# KiCad board Stream.kicad_pcb (continued)
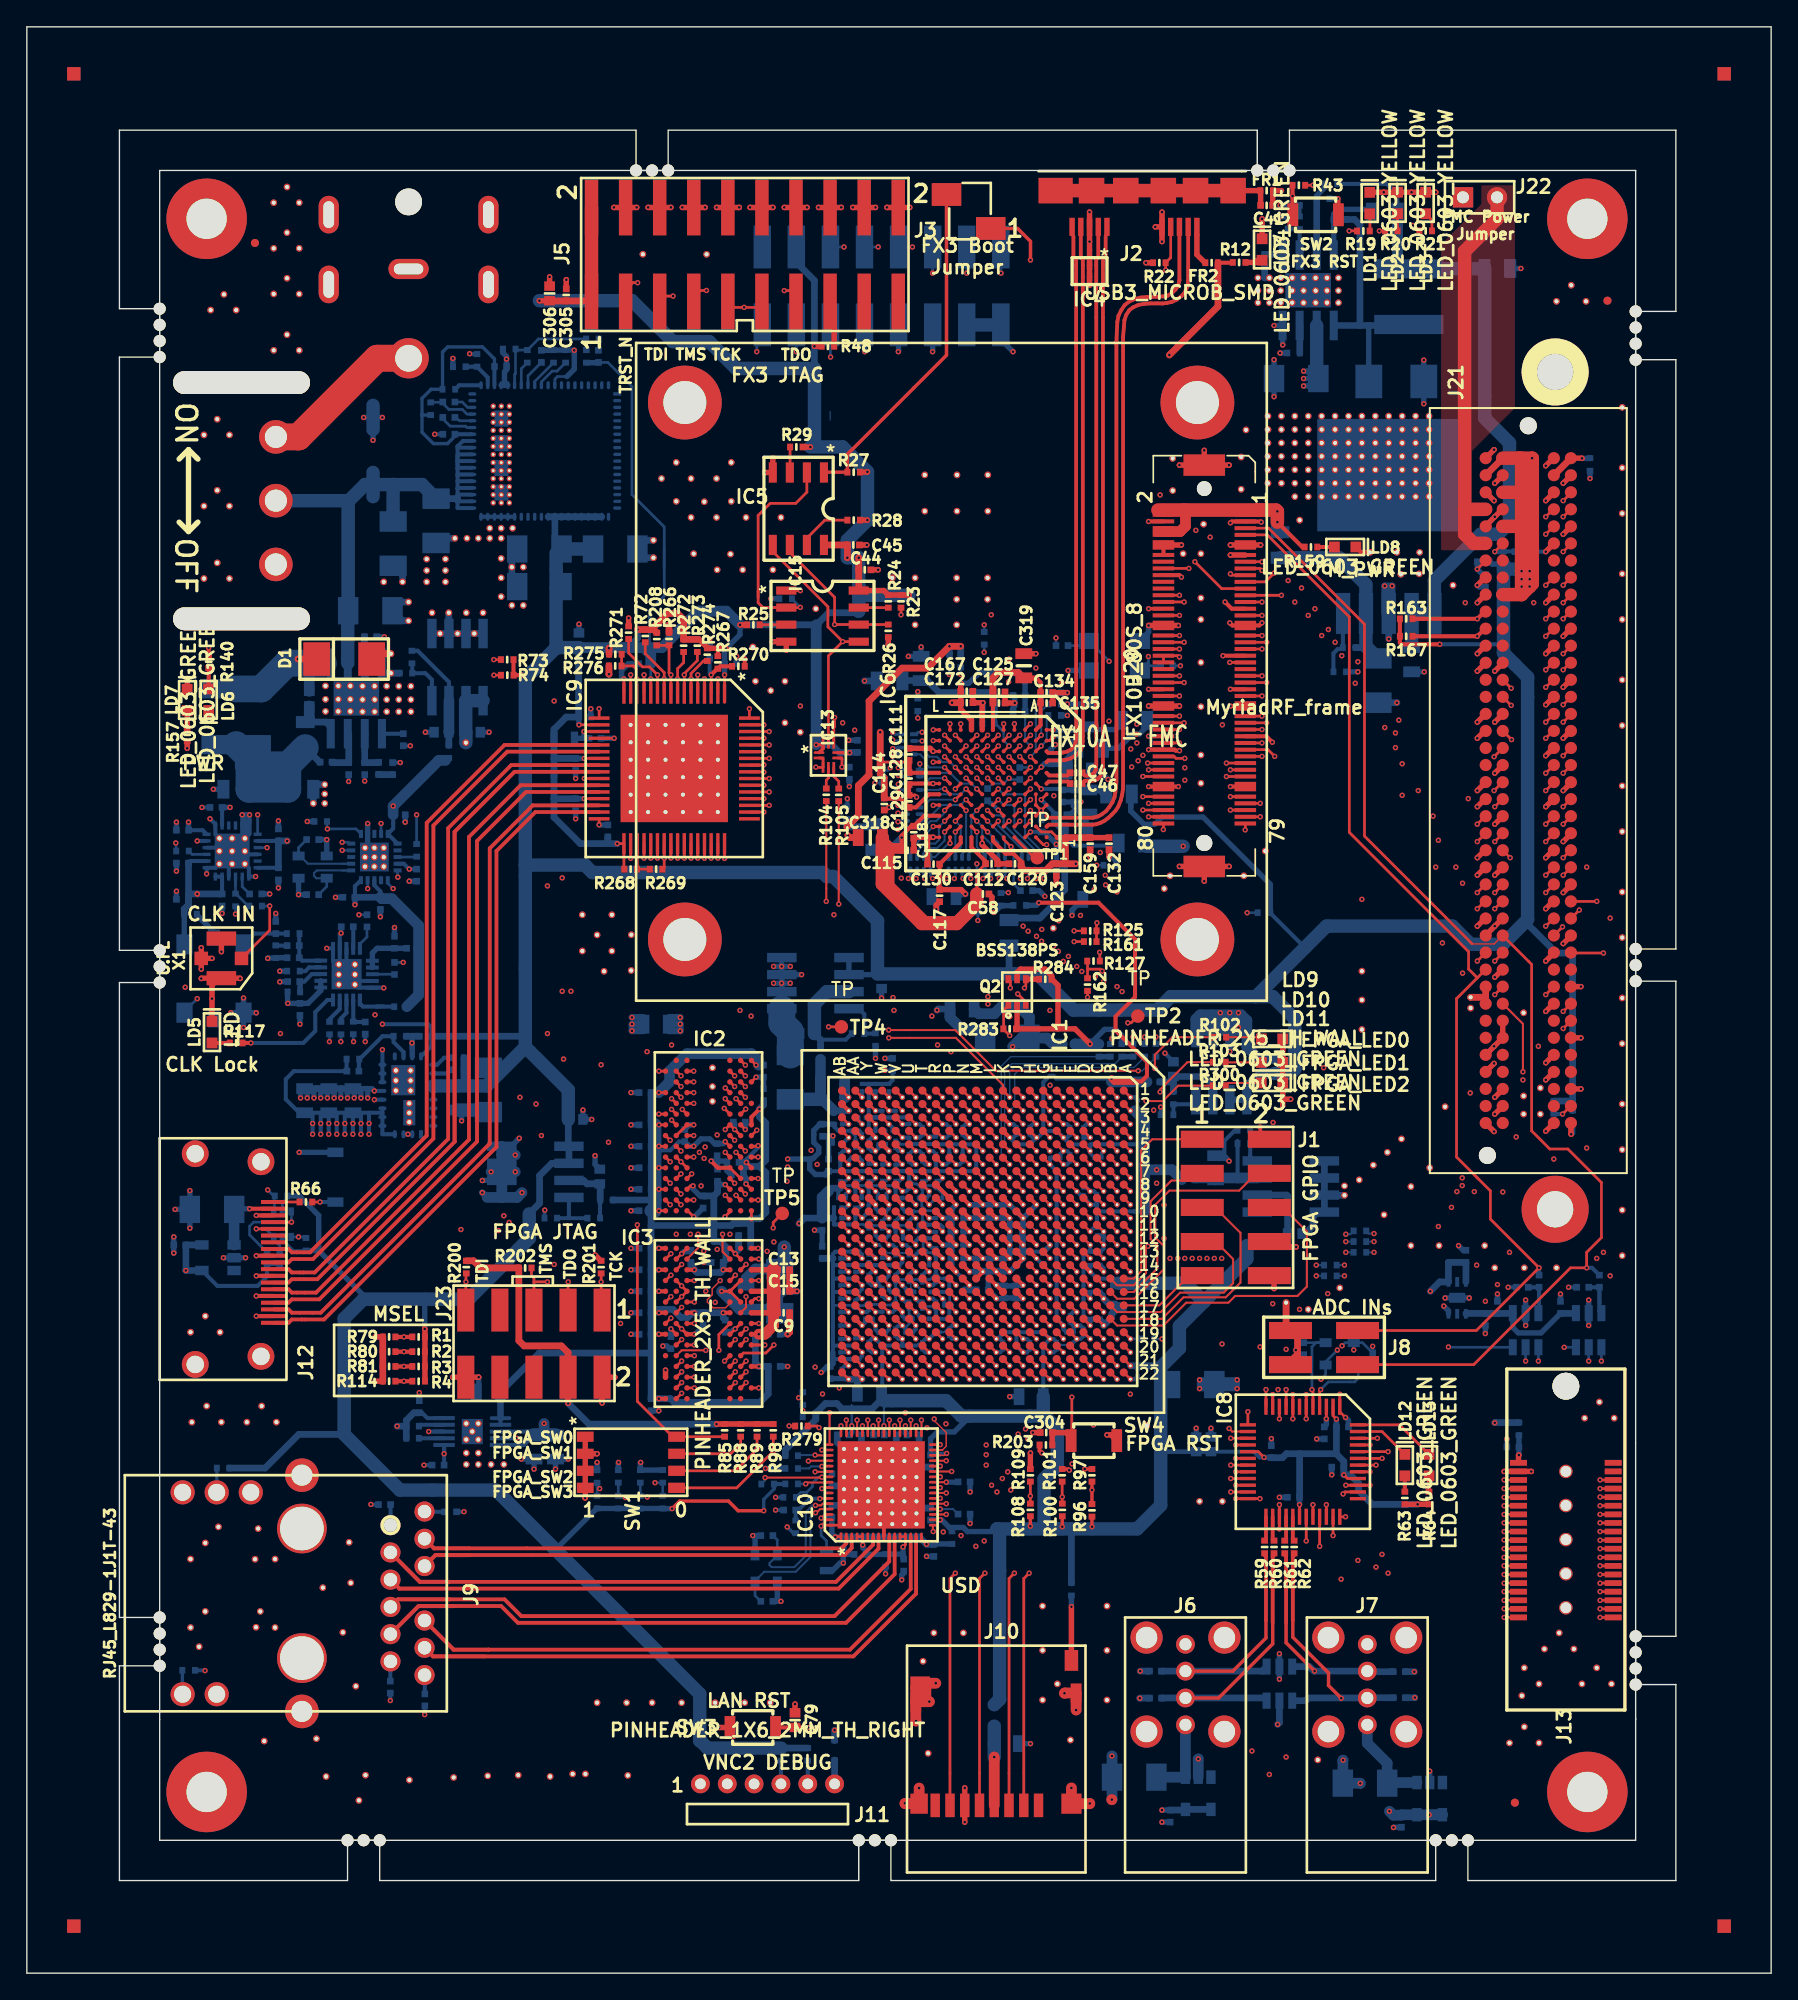
[diagram p0: board, top side]
## Placement (name value [footprint] x y rotation side) (continued)
D7  MMSZ5222BT1G  [SOD-123]  23 59.3 270 bottom
D10  20BQ030  [SMB]  102.11 118.58 90 bottom
D12  TS4148  [SM0805]  101.2 131.2 180 bottom
FB1  FB_600R_0402  [SM0402]  28.75 76.35 0 bottom
FD1  FIDUCIAL  [Fiducial]  17 128.9 0 top
FD2  FIDUCIAL  [Fiducial]  117.8 124.6 0 top
FD3  FIDUCIAL  [Fiducial]  110.9 12.7 0 top
FD4  FIDUCIAL  [Fiducial]  17 128.9 0 bottom
FD5  FIDUCIAL  [Fiducial]  117.8 124.6 0 bottom
FD6  FIDUCIAL  [Fiducial]  110.9 12.7 0 bottom
FR1  FR_220R_0402  [R_SM0402]  92.4 132.8 0 top
FR2  FR_220R_0402  [R_SM0402]  88.3 127.42 0 top
FR8  FR_600R_0402  [R_SM0402]  68.95 32.45 270 bottom
FR10  FR_600R_0402  [R_SM0402]  64 30.75 270 bottom
FR12  FR_600R_0402  [R_SM0402]  57.3 33.25 90 bottom
FR13  FR_600R_0805_2A  [R_SM0805]  82.32 84.19 0 bottom
FR14  FR_600R_0805_2A  [R_SM0805]  82.54 93.34 0 bottom
FR15  FR_600R_0805_2A  [R_SM0805]  79.24 91.25 0 bottom
FR16  FR_600R_0805_2A  [R_SM0805]  81.4 87.85 0 bottom
FR17  FR_600R_0805_2A  [R_SM0805]  46.9 70.7 0 bottom
FR18  FR_600R_0805_2A  [R_SM0805]  63.2 84.65 270 bottom
FR19  FR_600R_0805_2A  [R_SM0805]  64.3 96.27 0 bottom
FR20  FR_600R_0805_2A  [R_SM0805]  73.2 77.5 90 bottom
FR21  FR_600R_0402  [R_SM0402]  77.64 69.21 180 bottom
GND_VIA  VAL**  [GND_VIA]  97.5 116 0 top
GND_VIA#2  VAL**  [GND_VIA]  98.5 116 0 top
GND_VIA#3  VAL**  [GND_VIA]  100.5 116 0 top
GND_VIA#4  VAL**  [GND_VIA]  99.5 116 0 top
GND_VIA#5  VAL**  [GND_VIA]  101.5 116 0 top
GND_VIA#6  VAL**  [GND_VIA]  102.5 116 0 top
GND_VIA#7  VAL**  [GND_VIA]  103.5 116 0 top
GND_VIA#8  VAL**  [GND_VIA]  104.5 116 0 top
GND_VIA#9  VAL**  [GND_VIA]  104.5 115 0 top
GND_VIA#10  VAL**  [GND_VIA]  103.5 115 0 top
GND_VIA#11  VAL**  [GND_VIA]  102.5 115 0 top
GND_VIA#12  VAL**  [GND_VIA]  101.5 115 0 top
GND_VIA#13  VAL**  [GND_VIA]  99.5 115 0 top
GND_VIA#14  VAL**  [GND_VIA]  100.5 115 0 top
GND_VIA#15  VAL**  [GND_VIA]  98.5 115 0 top
GND_VIA#16  VAL**  [GND_VIA]  97.5 115 0 top
GND_VIA#17  VAL**  [GND_VIA]  97.5 114 0 top
GND_VIA#18  VAL**  [GND_VIA]  98.5 114 0 top
GND_VIA#19  VAL**  [GND_VIA]  100.5 114 0 top
GND_VIA#20  VAL**  [GND_VIA]  99.5 114 0 top
GND_VIA#21  VAL**  [GND_VIA]  101.5 114 0 top
GND_VIA#22  VAL**  [GND_VIA]  102.5 114 0 top
GND_VIA#23  VAL**  [GND_VIA]  103.5 114 0 top
GND_VIA#24  VAL**  [GND_VIA]  104.5 114 0 top
GND_VIA#25  VAL**  [GND_VIA]  104.5 112 0 top
GND_VIA#26  VAL**  [GND_VIA]  103.5 112 0 top
GND_VIA#27  VAL**  [GND_VIA]  102.5 112 0 top
GND_VIA#28  VAL**  [GND_VIA]  101.5 112 0 top
GND_VIA#29  VAL**  [GND_VIA]  99.5 112 0 top
GND_VIA#30  VAL**  [GND_VIA]  100.5 112 0 top
GND_VIA#31  VAL**  [GND_VIA]  98.5 112 0 top
GND_VIA#32  VAL**  [GND_VIA]  97.5 112 0 top
GND_VIA#33  VAL**  [GND_VIA]  97.5 113 0 top
GND_VIA#34  VAL**  [GND_VIA]  98.5 113 0 top
GND_VIA#35  VAL**  [GND_VIA]  100.5 113 0 top
GND_VIA#36  VAL**  [GND_VIA]  99.5 113 0 top
GND_VIA#37  VAL**  [GND_VIA]  101.5 113 0 top
GND_VIA#38  VAL**  [GND_VIA]  102.5 113 0 top
GND_VIA#39  VAL**  [GND_VIA]  103.5 113 0 top
GND_VIA#40  VAL**  [GND_VIA]  104.5 113 0 top
GND_VIA#41  VAL**  [GND_VIA]  97.5 111 0 top
GND_VIA#42  VAL**  [GND_VIA]  98.5 111 0 top
GND_VIA#43  VAL**  [GND_VIA]  100.5 111 0 top
GND_VIA#44  VAL**  [GND_VIA]  99.5 111 0 top
GND_VIA#45  VAL**  [GND_VIA]  101.5 111 0 top
GND_VIA#46  VAL**  [GND_VIA]  102.5 111 0 top
GND_VIA#47  VAL**  [GND_VIA]  103.5 111 0 top
GND_VIA#48  VAL**  [GND_VIA]  104.5 111 0 top
GND_VIA#49  VAL**  [GND_VIA]  104.5 110 0 top
GND_VIA#50  VAL**  [GND_VIA]  103.5 110 0 top
GND_VIA#51  VAL**  [GND_VIA]  102.5 110 0 top
GND_VIA#52  VAL**  [GND_VIA]  101.5 110 0 top
GND_VIA#53  VAL**  [GND_VIA]  99.5 110 0 top
GND_VIA#54  VAL**  [GND_VIA]  100.5 110 0 top
GND_VIA#55  VAL**  [GND_VIA]  98.5 110 0 top
GND_VIA#56  VAL**  [GND_VIA]  97.5 110 0 top
GND_VIA#57  VAL**  [GND_VIA]  107.6 71.9 0 top
GND_VIA#58  VAL**  [GND_VIA]  107.6 72.7 0 top
GND_VIA#59  VAL**  [GND_VIA]  25.2 83.84 0 top
GND_VIA#60  VAL**  [GND_VIA]  25.92 95.88 0 top
GND_VIA#61  VAL**  [GND_VIA]  25.02 95.88 0 top
GND_VIA#62  VAL**  [GND_VIA]  25.92 93.98 0 top
GND_VIA#63  VAL**  [GND_VIA]  25.02 93.98 0 top
GND_VIA#64  VAL**  [GND_VIA]  25.02 94.88 0 top
GND_VIA#65  VAL**  [GND_VIA]  25.92 94.88 0 top
GND_VIA#66  VAL**  [GND_VIA]  14.35 82.64 0 top
GND_VIA#67  VAL**  [GND_VIA]  14.35 84.54 0 top
GND_VIA#68  VAL**  [GND_VIA]  14.35 83.59 0 top
GND_VIA#69  VAL**  [GND_VIA]  27.5 67.25 0 top
GND_VIA#70  VAL**  [GND_VIA]  28.6 67.25 0 top
GND_VIA#71  VAL**  [GND_VIA]  28.6 65.75 0 top
GND_VIA#72  VAL**  [GND_VIA]  27.5 65.75 0 top
GND_VIA#73  VAL**  [GND_VIA]  27.5 66.5 0 top
GND_VIA#74  VAL**  [GND_VIA]  28.6 66.5 0 top
GND_VIA#75  VAL**  [GND_VIA]  28.5 64.8 0 top
GND_VIA#76  VAL**  [GND_VIA]  28.5 64.1 0 top
GND_VIA#77  VAL**  [GND_VIA]  60.9 39.05 0 top
GND_VIA#78  VAL**  [GND_VIA]  61.8 39.05 0 top
GND_VIA#79  VAL**  [GND_VIA]  62.7 39.05 0 top
GND_VIA#80  VAL**  [GND_VIA]  64.5 39.05 0 top
GND_VIA#81  VAL**  [GND_VIA]  63.6 39.05 0 top
GND_VIA#82  VAL**  [GND_VIA]  65.4 39.05 0 top
GND_VIA#83  VAL**  [GND_VIA]  66.3 39.05 0 top
GND_VIA#84  VAL**  [GND_VIA]  66.3 38.15 0 top
GND_VIA#85  VAL**  [GND_VIA]  65.4 38.15 0 top
GND_VIA#86  VAL**  [GND_VIA]  63.6 38.15 0 top
GND_VIA#87  VAL**  [GND_VIA]  64.5 38.15 0 top
GND_VIA#88  VAL**  [GND_VIA]  62.7 38.15 0 top
GND_VIA#89  VAL**  [GND_VIA]  61.8 38.15 0 top
GND_VIA#90  VAL**  [GND_VIA]  60.9 38.15 0 top
GND_VIA#91  VAL**  [GND_VIA]  60.9 36.05 0 top
GND_VIA#92  VAL**  [GND_VIA]  61.8 36.05 0 top
GND_VIA#93  VAL**  [GND_VIA]  62.7 36.05 0 top
GND_VIA#94  VAL**  [GND_VIA]  64.5 36.05 0 top
GND_VIA#95  VAL**  [GND_VIA]  63.6 36.05 0 top
GND_VIA#96  VAL**  [GND_VIA]  65.4 36.05 0 top
GND_VIA#97  VAL**  [GND_VIA]  66.3 36.05 0 top
GND_VIA#98  VAL**  [GND_VIA]  66.3 36.95 0 top
GND_VIA#99  VAL**  [GND_VIA]  65.4 36.95 0 top
GND_VIA#100  VAL**  [GND_VIA]  63.6 36.95 0 top
GND_VIA#101  VAL**  [GND_VIA]  64.5 36.95 0 top
GND_VIA#102  VAL**  [GND_VIA]  62.7 36.95 0 top
GND_VIA#103  VAL**  [GND_VIA]  61.8 36.95 0 top
GND_VIA#104  VAL**  [GND_VIA]  60.9 36.95 0 top
GND_VIA#105  VAL**  [GND_VIA]  60.9 35.15 0 top
GND_VIA#106  VAL**  [GND_VIA]  61.8 35.15 0 top
GND_VIA#107  VAL**  [GND_VIA]  62.7 35.15 0 top
GND_VIA#108  VAL**  [GND_VIA]  64.5 35.15 0 top
GND_VIA#109  VAL**  [GND_VIA]  63.6 35.15 0 top
GND_VIA#110  VAL**  [GND_VIA]  65.4 35.15 0 top
GND_VIA#111  VAL**  [GND_VIA]  66.3 35.15 0 top
GND_VIA#112  VAL**  [GND_VIA]  66.3 34.25 0 top
GND_VIA#113  VAL**  [GND_VIA]  65.4 34.25 0 top
GND_VIA#114  VAL**  [GND_VIA]  63.6 34.25 0 top
GND_VIA#115  VAL**  [GND_VIA]  64.5 34.25 0 top
GND_VIA#116  VAL**  [GND_VIA]  62.7 34.25 0 top
GND_VIA#117  VAL**  [GND_VIA]  61.8 34.25 0 top
GND_VIA#118  VAL**  [GND_VIA]  60.9 34.25 0 top
GND_VIA#119  VAL**  [GND_VIA]  60.9 33.45 0 top
GND_VIA#120  VAL**  [GND_VIA]  61.8 33.45 0 top
GND_VIA#121  VAL**  [GND_VIA]  62.7 33.45 0 top
GND_VIA#122  VAL**  [GND_VIA]  64.5 33.45 0 top
GND_VIA#123  VAL**  [GND_VIA]  63.6 33.45 0 top
GND_VIA#124  VAL**  [GND_VIA]  65.4 33.45 0 top
GND_VIA#125  VAL**  [GND_VIA]  66.3 33.45 0 top
GND_VIA#126  VAL**  [GND_VIA]  23.25 75.15 0 top
GND_VIA#127  VAL**  [GND_VIA]  24.45 75.15 0 top
GND_VIA#128  VAL**  [GND_VIA]  26.6 103.65 0 top
GND_VIA#129  VAL**  [GND_VIA]  35.35 105.4 0 top
GND_VIA#130  VAL**  [GND_VIA]  35.35 106.9 0 top
GND_VIA#131  VAL**  [GND_VIA]  35.35 102.55 0 top
GND_VIA#132  VAL**  [GND_VIA]  23.25 73.65 0 top
GND_VIA#133  VAL**  [GND_VIA]  24.45 73.65 0 top
GND_VIA#134  VAL**  [GND_VIA]  27.13 96.85 0 top
GND_VIA#135  VAL**  [GND_VIA]  24.14 29.08 0 top
GND_VIA#136  VAL**  [GND_VIA]  24.52 21.38 0 top
GND_VIA#137  VAL**  [GND_VIA]  34.35 14.7 0 top
GND_VIA#138  VAL**  [GND_VIA]  31.81 14.58 0 top
GND_VIA#139  VAL**  [GND_VIA]  36.62 14.75 0 top
GND_VIA#140  VAL**  [GND_VIA]  14.4 47.75 0 top
GND_VIA#141  VAL**  [GND_VIA]  12.2 47.75 0 top
GND_VIA#142  VAL**  [GND_VIA]  13.3 48.95 0 top
GND_VIA#143  VAL**  [GND_VIA]  13.4 42.25 0 top
GND_VIA#144  VAL**  [GND_VIA]  12.3 41.05 0 top
GND_VIA#145  VAL**  [GND_VIA]  14.5 41.05 0 top
GND_VIA#146  VAL**  [GND_VIA]  18.6 41.05 0 top
GND_VIA#147  VAL**  [GND_VIA]  16.4 41.05 0 top
GND_VIA#148  VAL**  [GND_VIA]  17.5 42.25 0 top
GND_VIA#149  VAL**  [GND_VIA]  17.24 33.12 0 top
GND_VIA#150  VAL**  [GND_VIA]  17.01 30.84 0 top
GND_VIA#151  VAL**  [GND_VIA]  18.5 30.85 0 top
GND_VIA#152  VAL**  [GND_VIA]  14.28 33.25 0 top
GND_VIA#153  VAL**  [GND_VIA]  12.2 30.85 0 top
GND_VIA#154  VAL**  [GND_VIA]  13.3 32.05 0 top
GND_VIA#155  VAL**  [GND_VIA]  13.3 26.95 0 top
GND_VIA#156  VAL**  [GND_VIA]  12.2 25.75 0 top
GND_VIA#157  VAL**  [GND_VIA]  12.84 24.32 0 top
GND_VIA#158  VAL**  [GND_VIA]  18.5 25.75 0 top
GND_VIA#159  VAL**  [GND_VIA]  17.08 25.77 0 top
GND_VIA#160  VAL**  [GND_VIA]  17.4 26.95 0 top
GND_VIA#161  VAL**  [GND_VIA]  22.3 14.65 0 top
GND_VIA#162  VAL**  [GND_VIA]  17.69 17.29 0 top
GND_VIA#163  VAL**  [GND_VIA]  21.58 17.47 0 top
GND_VIA#164  VAL**  [GND_VIA]  28.51 14.39 0 top
GND_VIA#165  VAL**  [GND_VIA]  24.75 12.87 0 top
GND_VIA#166  VAL**  [GND_VIA]  25.24 14.75 0 top
GND_VIA#167  VAL**  [GND_VIA]  32.75 38.75 0 top
GND_VIA#168  VAL**  [GND_VIA]  33.65 38.75 0 top
GND_VIA#169  VAL**  [GND_VIA]  112.7 17.15 0 top
GND_VIA#170  VAL**  [GND_VIA]  110.5 17.15 0 top
GND_VIA#171  VAL**  [GND_VIA]  111.6 18.35 0 top
GND_VIA#172  VAL**  [GND_VIA]  111.6 22.75 0 top
GND_VIA#173  VAL**  [GND_VIA]  111.42 20.67 0 top
GND_VIA#174  VAL**  [GND_VIA]  112.7 21.55 0 top
GND_VIA#175  VAL**  [GND_VIA]  118.1 21.55 0 top
GND_VIA#176  VAL**  [GND_VIA]  115.9 21.55 0 top
GND_VIA#177  VAL**  [GND_VIA]  117 22.75 0 top
GND_VIA#178  VAL**  [GND_VIA]  114.2 25.35 0 top
GND_VIA#179  VAL**  [GND_VIA]  113.1 24.15 0 top
GND_VIA#180  VAL**  [GND_VIA]  115.3 24.15 0 top
GND_VIA#181  VAL**  [GND_VIA]  118.3 41.35 0 top
GND_VIA#182  VAL**  [GND_VIA]  116.1 41.35 0 top
GND_VIA#183  VAL**  [GND_VIA]  117.2 42.55 0 top
GND_VIA#184  VAL**  [GND_VIA]  111.6 52.55 0 top
GND_VIA#185  VAL**  [GND_VIA]  109.4 52.55 0 top
GND_VIA#186  VAL**  [GND_VIA]  114 52.55 0 top
GND_VIA#187  VAL**  [GND_VIA]  118.9 53.45 0 top
GND_VIA#188  VAL**  [GND_VIA]  118.9 56.85 0 top
GND_VIA#189  VAL**  [GND_VIA]  118.9 61.35 0 top
GND_VIA#190  VAL**  [GND_VIA]  118.9 69.25 0 top
GND_VIA#191  VAL**  [GND_VIA]  118.9 64.75 0 top
GND_VIA#192  VAL**  [GND_VIA]  118.9 80.55 0 top
GND_VIA#193  VAL**  [GND_VIA]  118.9 85.05 0 top
GND_VIA#194  VAL**  [GND_VIA]  118.9 77.15 0 top
GND_VIA#195  VAL**  [GND_VIA]  118.9 72.65 0 top
GND_VIA#196  VAL**  [GND_VIA]  118.9 104.25 0 top
GND_VIA#197  VAL**  [GND_VIA]  118.9 108.75 0 top
GND_VIA#198  VAL**  [GND_VIA]  118.9 116.65 0 top
GND_VIA#199  VAL**  [GND_VIA]  118.9 112.15 0 top
GND_VIA#200  VAL**  [GND_VIA]  118.9 96.35 0 top
GND_VIA#201  VAL**  [GND_VIA]  118.9 100.85 0 top
GND_VIA#202  VAL**  [GND_VIA]  118.9 92.95 0 top
GND_VIA#203  VAL**  [GND_VIA]  118.9 88.45 0 top
GND_VIA#204  VAL**  [GND_VIA]  116.2 124.55 0 top
GND_VIA#205  VAL**  [GND_VIA]  114 124.55 0 top
GND_VIA#206  VAL**  [GND_VIA]  115.1 125.75 0 top
GND_VIA#207  VAL**  [GND_VIA]  90.5 110.55 0 top
GND_VIA#208  VAL**  [GND_VIA]  90.5 112.95 0 top
GND_VIA#209  VAL**  [GND_VIA]  85.4 110.45 0 top
GND_VIA#210  VAL**  [GND_VIA]  85.4 112.85 0 top
GND_VIA#211  VAL**  [GND_VIA]  100.1 105.85 0 top
GND_VIA#212  VAL**  [GND_VIA]  102.1 105.85 0 top
GND_VIA#213  VAL**  [GND_VIA]  87.7 107.95 0 top
GND_VIA#214  VAL**  [GND_VIA]  87.5 105.75 0 top
GND_VIA#215  VAL**  [GND_VIA]  87.5 102.45 0 top
GND_VIA#216  VAL**  [GND_VIA]  87.5 100.85 0 top
GND_VIA#217  VAL**  [GND_VIA]  87.5 97.65 0 top
GND_VIA#218  VAL**  [GND_VIA]  87.5 94.35 0 top
GND_VIA#219  VAL**  [GND_VIA]  87.5 90.75 0 top
GND_VIA#220  VAL**  [GND_VIA]  87.5 88.65 0 top
GND_VIA#221  VAL**  [GND_VIA]  87.5 86.75 0 top
GND_VIA#222  VAL**  [GND_VIA]  85.2 81.75 0 top
GND_VIA#223  VAL**  [GND_VIA]  92.3 83.6 0 top
GND_VIA#224  VAL**  [GND_VIA]  90.7 81.75 0 top
GND_VIA#225  VAL**  [GND_VIA]  84.77 80.8 0 top
GND_VIA#226  VAL**  [GND_VIA]  76.5 77.85 0 top
GND_VIA#227  VAL**  [GND_VIA]  54.3 96.25 0 top
GND_VIA#228  VAL**  [GND_VIA]  56.5 96.25 0 top
GND_VIA#229  VAL**  [GND_VIA]  54.11 98.8 0 top
GND_VIA#230  VAL**  [GND_VIA]  58.8 101.65 0 top
GND_VIA#231  VAL**  [GND_VIA]  55.6 104.55 0 top
GND_VIA#232  VAL**  [GND_VIA]  64.5 103.95 0 top
GND_VIA#233  VAL**  [GND_VIA]  66.2 103.95 0 top
GND_VIA#234  VAL**  [GND_VIA]  56.2 108.45 0 top
GND_VIA#235  VAL**  [GND_VIA]  43.02 74.64 0 top
GND_VIA#236  VAL**  [GND_VIA]  45.05 77.36 0 top
GND_VIA#237  VAL**  [GND_VIA]  45.04 74.7 0 top
GND_VIA#238  VAL**  [GND_VIA]  43.6 78.85 0 top
GND_VIA#239  VAL**  [GND_VIA]  41.4 78.85 0 top
GND_VIA#240  VAL**  [GND_VIA]  51.1 66.05 0 top
GND_VIA#241  VAL**  [GND_VIA]  51.1 67.45 0 top
GND_VIA#242  VAL**  [GND_VIA]  51.1 64.95 0 top
GND_VIA#243  VAL**  [GND_VIA]  48.4 109.65 0 top
GND_VIA#244  VAL**  [GND_VIA]  49.5 108.45 0 top
GND_VIA#245  VAL**  [GND_VIA]  49.5 111.35 0 top
GND_VIA#246  VAL**  [GND_VIA]  47.3 111.35 0 top
GND_VIA#247  VAL**  [GND_VIA]  48.4 112.55 0 top
GND_VIA#248  VAL**  [GND_VIA]  55.44 95.55 0 top
GND_VIA#249  VAL**  [GND_VIA]  52.5 112.55 0 top
GND_VIA#250  VAL**  [GND_VIA]  51.4 111.35 0 top
GND_VIA#251  VAL**  [GND_VIA]  50.49 109.62 0 top
GND_VIA#252  VAL**  [GND_VIA]  53.6 108.45 0 top
GND_VIA#253  VAL**  [GND_VIA]  51.4 108.45 0 top
GND_VIA#254  VAL**  [GND_VIA]  52.5 109.65 0 top
GND_VIA#255  VAL**  [GND_VIA]  69.32 108.92 0 top
GND_VIA#256  VAL**  [GND_VIA]  96.21 15.89 0 top
GND_VIA#257  VAL**  [GND_VIA]  42.5 77.35 0 top
GND_VIA#258  VAL**  [GND_VIA]  41.4 76.15 0 top
GND_VIA#259  VAL**  [GND_VIA]  43.6 76.15 0 top
GND_VIA#260  VAL**  [GND_VIA]  103.77 104.25 0 top
GND_VIA#261  VAL**  [GND_VIA]  94.86 108.25 0 top
GND_VIA#262  VAL**  [GND_VIA]  97.75 124.45 0 top
GND_VIA#263  VAL**  [GND_VIA]  97.75 126.3 0 top
GND_VIA#264  VAL**  [GND_VIA]  97.75 125.35 0 top
GND_VIA#265  VAL**  [GND_VIA]  93.45 125.35 0 top
GND_VIA#266  VAL**  [GND_VIA]  93.45 126.3 0 top
GND_VIA#267  VAL**  [GND_VIA]  93.45 124.45 0 top
GND_VIA#268  VAL**  [GND_VIA]  92.6 124.45 0 top
GND_VIA#269  VAL**  [GND_VIA]  92.6 126.3 0 top
GND_VIA#270  VAL**  [GND_VIA]  92.6 125.35 0 top
GND_VIA#271  VAL**  [GND_VIA]  91.75 125.35 0 top
GND_VIA#272  VAL**  [GND_VIA]  91.75 126.3 0 top
GND_VIA#273  VAL**  [GND_VIA]  91.75 124.45 0 top
GND_VIA#274  VAL**  [GND_VIA]  41.63 14.84 0 top
GND_VIA#275  VAL**  [GND_VIA]  44.79 14.73 0 top
GND_VIA#276  VAL**  [GND_VIA]  39 14.65 0 top
GND_VIA#277  VAL**  [GND_VIA]  40.68 14.84 0 top
GND_VIA#278  VAL**  [GND_VIA]  86.18 105.75 0 top
GND_VIA#279  VAL**  [GND_VIA]  93.85 49.95 0 top
GND_VIA#280  VAL**  [GND_VIA]  95.5 49.45 0 top
GND_VIA#281  VAL**  [GND_VIA]  97.85 51.05 0 top
GND_VIA#282  VAL**  [GND_VIA]  105.25 54.2 0 top
GND_VIA#283  VAL**  [GND_VIA]  108.65 54.2 0 top
GND_VIA#284  VAL**  [GND_VIA]  111.55 64 0 top
GND_VIA#285  VAL**  [GND_VIA]  111.55 65.35 0 top
GND_VIA#286  VAL**  [GND_VIA]  112.8 65.95 0 top
GND_VIA#287  VAL**  [GND_VIA]  112.8 64 0 top
GND_VIA#288  VAL**  [GND_VIA]  111.55 71.55 0 top
GND_VIA#289  VAL**  [GND_VIA]  33.65 37.9 0 top
GND_VIA#290  VAL**  [GND_VIA]  32.75 37.9 0 top
GND_VIA#291  VAL**  [GND_VIA]  34.6 37.9 0 top
GND_VIA#292  VAL**  [GND_VIA]  35.55 37.9 0 top
GND_VIA#293  VAL**  [GND_VIA]  46.6 20.15 0 top
GND_VIA#294  VAL**  [GND_VIA]  48.8 20.15 0 top
GND_VIA#295  VAL**  [GND_VIA]  44.7 20.15 0 top
GND_VIA#296  VAL**  [GND_VIA]  42.5 20.15 0 top
GND_VIA#297  VAL**  [GND_VIA]  51.3 20.15 0 top
GND_VIA#298  VAL**  [GND_VIA]  53.5 20.15 0 top
GND_VIA#299  VAL**  [GND_VIA]  55.4 20.15 0 top
GND_VIA#300  VAL**  [GND_VIA]  24.02 32.1 0 top
GND_VIA#301  VAL**  [GND_VIA]  23.55 25.39 0 top
GND_VIA#302  VAL**  [GND_VIA]  22.06 28.72 0 top
GND_VIA#303  VAL**  [GND_VIA]  76.8 21.55 0 top
GND_VIA#304  VAL**  [GND_VIA]  75.7 20.35 0 top
GND_VIA#305  VAL**  [GND_VIA]  77.78 17.37 0 top
GND_VIA#306  VAL**  [GND_VIA]  67.17 16.38 0 top
GND_VIA#307  VAL**  [GND_VIA]  66.79 23.24 0 top
GND_VIA#308  VAL**  [GND_VIA]  67.6 25.35 0 top
GND_VIA#309  VAL**  [GND_VIA]  69.8 25.35 0 top
GND_VIA#310  VAL**  [GND_VIA]  75.7 24.05 0 top
GND_VIA#311  VAL**  [GND_VIA]  75.7 27.35 0 top
GND_VIA#312  VAL**  [GND_VIA]  80.5 27.35 0 top
GND_VIA#313  VAL**  [GND_VIA]  80.5 24.05 0 top
GND_VIA#314  VAL**  [GND_VIA]  80.5 20.35 0 top
GND_VIA#315  VAL**  [GND_VIA]  89.1 35.15 0 top
GND_VIA#316  VAL**  [GND_VIA]  87.4 35.15 0 top
GND_VIA#317  VAL**  [GND_VIA]  45.91 128.06 0 top
GND_VIA#318  VAL**  [GND_VIA]  50.66 128.05 0 top
GND_VIA#319  VAL**  [GND_VIA]  66.2 100.45 0 top
GND_VIA#320  VAL**  [GND_VIA]  69.3 100.45 0 top
GND_VIA#321  VAL**  [GND_VIA]  69.3 103.95 0 top
GND_VIA#322  VAL**  [GND_VIA]  69.3 102.35 0 top
GND_VIA#323  VAL**  [GND_VIA]  102.4 104.21 0 top
GND_VIA#324  VAL**  [GND_VIA]  103.8 105.85 0 top
GND_VIA#325  VAL**  [GND_VIA]  90.86 114.97 0 top
GND_VIA#326  VAL**  [GND_VIA]  106.29 103.4 0 top
GND_VIA#327  VAL**  [GND_VIA]  95.5 110 0 top
GND_VIA#328  VAL**  [GND_VIA]  96.5 110 0 top
GND_VIA#329  VAL**  [GND_VIA]  96.5 111 0 top
GND_VIA#330  VAL**  [GND_VIA]  95.5 111 0 top
GND_VIA#331  VAL**  [GND_VIA]  96.5 113 0 top
GND_VIA#332  VAL**  [GND_VIA]  95.5 113 0 top
GND_VIA#333  VAL**  [GND_VIA]  95.5 112 0 top
GND_VIA#334  VAL**  [GND_VIA]  96.5 112 0 top
GND_VIA#335  VAL**  [GND_VIA]  96.5 114 0 top
GND_VIA#336  VAL**  [GND_VIA]  95.5 114 0 top
GND_VIA#337  VAL**  [GND_VIA]  95.5 115 0 top
GND_VIA#338  VAL**  [GND_VIA]  96.5 115 0 top
GND_VIA#339  VAL**  [GND_VIA]  96.5 116 0 top
GND_VIA#340  VAL**  [GND_VIA]  95.5 116 0 top
GND_VIA#341  VAL**  [GND_VIA]  92.5 116 0 top
GND_VIA#342  VAL**  [GND_VIA]  93.5 116 0 top
GND_VIA#343  VAL**  [GND_VIA]  93.5 115 0 top
GND_VIA#344  VAL**  [GND_VIA]  92.5 115 0 top
GND_VIA#345  VAL**  [GND_VIA]  92.5 114 0 top
GND_VIA#346  VAL**  [GND_VIA]  93.5 114 0 top
GND_VIA#347  VAL**  [GND_VIA]  93.5 112 0 top
GND_VIA#348  VAL**  [GND_VIA]  92.5 112 0 top
GND_VIA#349  VAL**  [GND_VIA]  92.5 113 0 top
GND_VIA#350  VAL**  [GND_VIA]  93.5 113 0 top
GND_VIA#351  VAL**  [GND_VIA]  92.5 111 0 top
GND_VIA#352  VAL**  [GND_VIA]  93.5 111 0 top
GND_VIA#353  VAL**  [GND_VIA]  94.5 110 0 top
GND_VIA#354  VAL**  [GND_VIA]  94.5 111 0 top
GND_VIA#355  VAL**  [GND_VIA]  94.5 113 0 top
GND_VIA#356  VAL**  [GND_VIA]  94.5 112 0 top
GND_VIA#357  VAL**  [GND_VIA]  94.5 114 0 top
GND_VIA#358  VAL**  [GND_VIA]  94.5 115 0 top
GND_VIA#359  VAL**  [GND_VIA]  94.5 116 0 top
GND_VIA#360  VAL**  [GND_VIA]  103.15 54.2 0 top
GND_VIA#361  VAL**  [GND_VIA]  101.15 56.5 0 top
GND_VIA#362  VAL**  [GND_VIA]  103.15 58.6 0 top
GND_VIA#363  VAL**  [GND_VIA]  98.2 57.95 0 top
GND_VIA#364  VAL**  [GND_VIA]  104.55 60 0 top
GND_VIA#365  VAL**  [GND_VIA]  100.35 60.2 0 top
GND_VIA#366  VAL**  [GND_VIA]  101.4 61.15 0 top
GND_VIA#367  VAL**  [GND_VIA]  98.2 58.65 0 top
GND_VIA#368  VAL**  [GND_VIA]  83.47 40.8 0 top
GND_VIA#369  VAL**  [GND_VIA]  24.11 94.9 0 top
GND_VIA#370  VAL**  [GND_VIA]  24.11 94 0 top
GND_VIA#371  VAL**  [GND_VIA]  24.11 95.9 0 top
GND_VIA#372  VAL**  [GND_VIA]  22.2 87.15 0 top
GND_VIA#373  VAL**  [GND_VIA]  22.2 88.55 0 top
GND_VIA#374  VAL**  [GND_VIA]  22.2 87.85 0 top
GND_VIA#375  VAL**  [GND_VIA]  21.35 87.15 0 top
GND_VIA#376  VAL**  [GND_VIA]  37 101.9 0 top
GND_VIA#377  VAL**  [GND_VIA]  36.15 101.9 0 top
GND_VIA#378  VAL**  [GND_VIA]  36.15 104.75 0 top
GND_VIA#379  VAL**  [GND_VIA]  37 104.75 0 top
GND_VIA#380  VAL**  [GND_VIA]  46.7 105.45 0 top
GND_VIA#381  VAL**  [GND_VIA]  49.7 105.75 0 top
GND_VIA#382  VAL**  [GND_VIA]  53.35 104.55 0 top
GND_VIA#383  VAL**  [GND_VIA]  52.44 105.72 0 top
GND_VIA#384  VAL**  [GND_VIA]  51.45 104.55 0 top
GND_VIA#385  VAL**  [GND_VIA]  35.35 103.95 0 top
GND_VIA#386  VAL**  [GND_VIA]  28 103.65 0 top
GND_VIA#387  VAL**  [GND_VIA]  31.2 105.35 0 top
GND_VIA#388  VAL**  [GND_VIA]  29.8 105.35 0 top
GND_VIA#389  VAL**  [GND_VIA]  28.45 102.15 0 top
GND_VIA#390  VAL**  [GND_VIA]  28.45 100.75 0 top
GND_VIA#391  VAL**  [GND_VIA]  27.13 98.3 0 top
GND_VIA#392  VAL**  [GND_VIA]  30.2 101.35 0 top
GND_VIA#393  VAL**  [GND_VIA]  31.45 101.35 0 top
GND_VIA#394  VAL**  [GND_VIA]  32.75 101.35 0 top
GND_VIA#395  VAL**  [GND_VIA]  34 101.35 0 top
GND_VIA#396  VAL**  [GND_VIA]  32.72 91.67 0 top
GND_VIA#397  VAL**  [GND_VIA]  46.7 106.75 0 top
GND_VIA#398  VAL**  [GND_VIA]  29.8 103.65 0 top
GND_VIA#399  VAL**  [GND_VIA]  31.2 103.65 0 top
GND_VIA#400  VAL**  [GND_VIA]  31.2 104.5 0 top
GND_VIA#401  VAL**  [GND_VIA]  29.8 104.5 0 top
GND_VIA#402  VAL**  [GND_VIA]  31.9 106.9 0 top
GND_VIA#403  VAL**  [GND_VIA]  32.8 106.9 0 top
GND_VIA#404  VAL**  [GND_VIA]  34.5 106.9 0 top
GND_VIA#405  VAL**  [GND_VIA]  33.65 106.9 0 top
GND_VIA#406  VAL**  [GND_VIA]  35.35 107.65 0 top
GND_VIA#407  VAL**  [GND_VIA]  36.2 107.65 0 top
GND_VIA#408  VAL**  [GND_VIA]  34.5 107.65 0 top
GND_VIA#409  VAL**  [GND_VIA]  99.3 59.1 0 top
GND_VIA#410  VAL**  [GND_VIA]  102.45 62.15 0 top
GND_VIA#411  VAL**  [GND_VIA]  28.5 63.4 0 top
GND_VIA#412  VAL**  [GND_VIA]  23.25 74.4 0 top
GND_VIA#413  VAL**  [GND_VIA]  24.45 74.4 0 top
GND_VIA#414  VAL**  [GND_VIA]  16.25 83.59 0 top
GND_VIA#415  VAL**  [GND_VIA]  16.25 84.54 0 top
GND_VIA#416  VAL**  [GND_VIA]  16.25 82.64 0 top
GND_VIA#417  VAL**  [GND_VIA]  15.3 82.64 0 top
GND_VIA#418  VAL**  [GND_VIA]  15.3 84.54 0 top
GND_VIA#419  VAL**  [GND_VIA]  15.3 83.59 0 top
GND_VIA#420  VAL**  [GND_VIA]  25.2 82.44 0 top
GND_VIA#421  VAL**  [GND_VIA]  26.6 82.44 0 top
GND_VIA#422  VAL**  [GND_VIA]  26.6 83.84 0 top
GND_VIA#423  VAL**  [GND_VIA]  25.9 83.84 0 top
GND_VIA#424  VAL**  [GND_VIA]  25.9 82.44 0 top
GND_VIA#425  VAL**  [GND_VIA]  25.9 83.14 0 top
GND_VIA#426  VAL**  [GND_VIA]  26.6 83.14 0 top
GND_VIA#427  VAL**  [GND_VIA]  25.2 83.14 0 top
GND_VIA#428  VAL**  [GND_VIA]  22.26 95.9 0 top
GND_VIA#429  VAL**  [GND_VIA]  22.26 94 0 top
GND_VIA#430  VAL**  [GND_VIA]  22.26 94.9 0 top
GND_VIA#431  VAL**  [GND_VIA]  23.21 95.9 0 top
GND_VIA#432  VAL**  [GND_VIA]  23.21 94 0 top
GND_VIA#433  VAL**  [GND_VIA]  23.21 94.9 0 top
GND_VIA#434  VAL**  [GND_VIA]  26.82 94.88 0 top
GND_VIA#435  VAL**  [GND_VIA]  26.82 93.98 0 top
GND_VIA#436  VAL**  [GND_VIA]  26.82 95.88 0 top
GND_VIA#437  VAL**  [GND_VIA]  27.72 95.88 0 top
GND_VIA#438  VAL**  [GND_VIA]  27.72 93.98 0 top
GND_VIA#439  VAL**  [GND_VIA]  27.72 94.88 0 top
GND_VIA#440  VAL**  [GND_VIA]  28.62 94.88 0 top
GND_VIA#441  VAL**  [GND_VIA]  28.62 93.98 0 top
GND_VIA#442  VAL**  [GND_VIA]  28.62 95.88 0 top
GND_VIA#443  VAL**  [GND_VIA]  30.8 99.8 0 top
GND_VIA#444  VAL**  [GND_VIA]  32.1 99.8 0 top
GND_VIA#445  VAL**  [GND_VIA]  33.35 99.8 0 top
GND_VIA#446  VAL**  [GND_VIA]  66.92 108.92 0 top
GND_VIA#447  VAL**  [GND_VIA]  71.6 102.35 0 top
GND_VIA#448  VAL**  [GND_VIA]  71.6 103.95 0 top
GND_VIA#449  VAL**  [GND_VIA]  71.62 108.92 0 top
GND_VIA#450  VAL**  [GND_VIA]  71.62 111.62 0 top
GND_VIA#451  VAL**  [GND_VIA]  66.92 111.62 0 top
GND_VIA#452  VAL**  [GND_VIA]  69.32 111.62 0 top
GND_VIA#453  VAL**  [GND_VIA]  57.64 92.45 0 top
GND_VIA#454  VAL**  [GND_VIA]  56.5 93.15 0 top
GND_VIA#455  VAL**  [GND_VIA]  105.7 64.55 0 top
GND_VIA#456  VAL**  [GND_VIA]  99.5 70.3 0 top
GND_VIA#457  VAL**  [GND_VIA]  99.5 74.65 0 top
GND_VIA#458  VAL**  [GND_VIA]  99.5 72.5 0 top
GND_VIA#459  VAL**  [GND_VIA]  94.3 124.45 0 top
GND_VIA#460  VAL**  [GND_VIA]  94.3 126.3 0 top
GND_VIA#461  VAL**  [GND_VIA]  94.3 125.35 0 top
GND_VIA#462  VAL**  [GND_VIA]  95.15 125.35 0 top
GND_VIA#463  VAL**  [GND_VIA]  95.15 126.3 0 top
GND_VIA#464  VAL**  [GND_VIA]  95.15 124.45 0 top
GND_VIA#465  VAL**  [GND_VIA]  96.05 124.45 0 top
GND_VIA#466  VAL**  [GND_VIA]  96.05 126.3 0 top
GND_VIA#467  VAL**  [GND_VIA]  96.05 125.35 0 top
GND_VIA#468  VAL**  [GND_VIA]  96.9 125.35 0 top
GND_VIA#469  VAL**  [GND_VIA]  96.9 126.3 0 top
GND_VIA#470  VAL**  [GND_VIA]  96.9 124.45 0 top
GND_VIA#471  VAL**  [GND_VIA]  20.3 125.1 0 top
GND_VIA#472  VAL**  [GND_VIA]  19.39 126.27 0 top
GND_VIA#473  VAL**  [GND_VIA]  18.4 125.1 0 top
GND_VIA#474  VAL**  [GND_VIA]  18.4 128.5 0 top
GND_VIA#475  VAL**  [GND_VIA]  19.39 129.67 0 top
GND_VIA#476  VAL**  [GND_VIA]  20.3 128.5 0 top
GND_VIA#477  VAL**  [GND_VIA]  20.3 131.9 0 top
GND_VIA#478  VAL**  [GND_VIA]  19.39 133.07 0 top
GND_VIA#479  VAL**  [GND_VIA]  18.4 131.9 0 top
GND_VIA#480  VAL**  [GND_VIA]  18.4 120.9 0 top
GND_VIA#481  VAL**  [GND_VIA]  19.39 122.07 0 top
GND_VIA#482  VAL**  [GND_VIA]  20.3 120.9 0 top
GND_VIA#483  VAL**  [GND_VIA]  15.6 123.9 0 top
GND_VIA#484  VAL**  [GND_VIA]  14.69 125.07 0 top
GND_VIA#485  VAL**  [GND_VIA]  13.7 123.9 0 top
GND_VIA#486  VAL**  [GND_VIA]  13.2 114.6 0 top
GND_VIA#487  VAL**  [GND_VIA]  14.19 115.77 0 top
GND_VIA#488  VAL**  [GND_VIA]  15.1 114.6 0 top
GND_VIA#489  VAL**  [GND_VIA]  15.1 109.3 0 top
GND_VIA#490  VAL**  [GND_VIA]  14.19 110.47 0 top
GND_VIA#491  VAL**  [GND_VIA]  13.2 109.3 0 top
GND_VIA#492  VAL**  [GND_VIA]  13.2 103.9 0 top
GND_VIA#493  VAL**  [GND_VIA]  14.19 105.07 0 top
GND_VIA#494  VAL**  [GND_VIA]  15.1 103.9 0 top
IC1  EP4CE40F23C7N  [FBGA484]  71.25 55.25 270 top
IC2  W9751G6KB-25  [84WBGA]  50.8 62.4 180 top
IC3  W9751G6KB-25  [84WBGA]  50.8 48.4 0 top
IC4  SP3010-04UTG  [uDFN-10]  79.2 126.8 0 top
IC5  M25P40  [SOIC-8]  57.5 109.1 180 top
IC6  CYUSB3013  [FBGA_121_Ball_10x10]  72 88.62 270 top
IC7  SRV05-4  [SOT23-6]  93.35 21.57 0 bottom
IC8  VNC2-48L1B  [48-LQFP]  95.1 38.1 270 top
IC9  TFP410  [64-TQFP]  48.25 89.75 270 top
IC10  KSZ9021GN  [QFN64]  63.68 36.38 90 top
IC11  SI5351C  [QFN20]  25.9 83.15 0 bottom
IC12  LMK00105  [24LLP]  15.3 83.6 0 bottom
IC13  SN74AVC2T245  [10UQFN]  59.74 90.73 270 top
IC14  MIC37122Y_ADJ  [SOIC8]  94.2 58.6 0 bottom
IC15  M25P16  [SOIC-8]  59.3 101.1 270 top
IC16  TPS51100DGQ  [MSOP10]  33.2 40.35 180 bottom
IC18  MIC37122Y_ADJ  [SOIC8]  32.1 97.3 90 bottom
IC19  MIC37122Y_ADJ  [SOIC8]  58.77 73.76 180 bottom
IC20  MIC37122Y_ADJ  [SOIC8]  89.02 67.57 90 bottom
IC21  MIC37122Y_ADJ  [SOIC8]  37.9 59.7 180 bottom
IC22  EN2390_2PARTS  [QFN76_Altera]  38.6 113.4 180 bottom
IC23  EN5339QI  [QFN24_Altera]  28.4 65.4 90 bottom
IC24  NCP59151-ADJ  [D2PAK-5]  101.5 101.3 270 bottom
J1  PINHEADER_2X5_TH_WALL  [PINHEADER_2X5]  90.1 57.05 0 top
J2  USB3_MICROB_SMD  [USB3_microB_SMD]  85.9 132.8 180 top
J3  PINHEADER_1X2_SMD  [PINHEADER_1x2_SMD]  71.84 129.97 180 top
J4  -  [PINHEADER_2X8_SMD_RA]  63.7 125.7 270 bottom
J5  JTAG_PIN_2X10_SMD_WALL  [Pinhead_2x10_SMD_wall]  53.51 128.04 90 top
J6  USB2_A  [TH-USB2_A]  86.35 21.5 180 top
J7  USB2_A  [TH-USB2_A]  99.9 21.5 180 top
J8  -  [PINHEADER_2X2]  96.7 46.6 0 top
J9  -  [RJ45_L829-1J1T-43]  20.5 28.3 90 top
J10  USD  [MicroSD]  67.7 12.5 0 top
J11  PINHEADER_1X6_2MM_TH_RIGHT  [Pinhead_1x6_2mm_TH_right]  55.2 14.1 0 top
J12  HDMI  [HDMI_SMD]  18.4 53.2 270 top
J13  AMP_MICTOR38  [AMP_Mictor38]  114.7 32.3 90 top
J18  PWR_JACK__FC681495  [Jack_Socket_TH]  28.45 138.26 270 bottom
J20  -  [FX10B_80S_8]  87.75 97.4 270 top
J21  FMC_FEMALE_LOW_COUNT  [FMC_Socket]  111.9 88.1 270 top
J22  PINHEADER_1X2_TH  [Pinhead_1x2_TH]  108.3 132.3 0 top
J23  PINHEADER_2X5_TH_WALL  [PINHEADER_2X5]  37.8 46.9 270 top
L1  470NH_0603  [L_SM0603]  72.1 19.2 90 bottom
L2  22UH_XAL60XX_SERIES  [XAL60xx_series]  103 124.9 180 bottom
L3  22UH_XAL60XX_SERIES  [XAL60xx_series]  15.6 93.6 0 bottom
LD1  LED_0603_YELLOW  [LED_0603]  100.08 131.87 90 top
LD2  LED_0603_YELLOW  [LED_0603]  102.16 131.88 90 top
LD3  LED_0603_YELLOW  [LED_0603]  104.25 131.88 90 top
LD4  LED_0603_GREEN  [LED_0603]  92.06 128.41 90 top
LD5  LED  [LED_0603]  13.8 70.1 90 top
LD6  LED_0603_GREEN  [LED_0603]  13.56 94.86 270 top
LD7  LED_0603_GREEN  [LED_0603]  11.95 94.85 90 top
LD8  LED_0603_GREEN  [LED_0603]  98.25 106.25 0 top
LD9  LED_0603_GREEN  [LED_0603]  92.8 69.6 0 top
LD10  LED_0603_GREEN  [LED_0603]  92.8 67.85 0 top
LD11  LED_0603_GREEN  [LED_0603]  92.8 66.32 0 top
LD12  LED_0603_GREEN  [LED_0603]  102.7 37.85 90 top
LD13  LED_0603_GREEN  [LED_0603]  104.5 37.85 90 top
MH1  MOUNTHOLLE  [MountingHole6.3#3]  13.4 130.8 0 top
MH2  MOUNTHOLLE  [MountingHole6.3#2]  116.3 130.7 0 top
MH3  MOUNTHOLLE  [MountingHole6.3#4]  13.3 13.5 0 top
MH4  MOUNTHOLLE  [MountingHole6.3]  116.2 13.7 0 top
MyriadRF_frame  FX10A - FMC  [MyriadRF_frame]  87.24 117.01 180 top
Pad  VAL**  [Pad]  3.5 141.5 0 top
Pad#2  VAL**  [Pad]  126.5 141.5 0 top
Pad#3  VAL**  [Pad]  126.5 3.5 0 top
Pad#4  VAL**  [Pad]  3.5 3.5 0 top
Q1  BSS138PS  [SOT-363]  19.05 55.8 180 bottom
Q2  BSS138PS  [SOT-363]  73.8 73.1 0 top
R1  0R_0402_NF  [R_SM0402]  29.2 47.4 180 top
R2  0R_0402_NF  [R_SM0402]  29.2 46.3 180 top
R3  0R_0402_NF  [R_SM0402]  29.2 45.2 180 top
R4  0R_0402_NF  [R_SM0402]  29.2 44.1 180 top
R5  1K_0402  [R_SM0402]  28.25 96.85 180 bottom
R6  56R_0201  [SM0201]  65.75 55.75 90 bottom
R7  56R_0201  [SM0201]  60.75 57.75 0 bottom
R8  56R_0201  [SM0201]  60.62 58.75 90 bottom
R9  56R_0201  [SM0201]  61.75 56.75 90 bottom
R10  56R_0201  [SM0201]  65.03 54.75 0 bottom
R11  56R_0201  [SM0201]  63.75 55.75 90 bottom
R12  750R_0402  [R_SM0402]  90.35 127.45 180 top
R13  56R_0201  [SM0201]  64.68 50.75 180 bottom
R14  56R_0201  [SM0201]  64.75 51.75 90 bottom
R15  56R_0201  [SM0201]  60.35 46.25 0 bottom
R16  56R_0201  [SM0201]  60.35 48.25 0 bottom
R17  56R_0201  [SM0201]  67.75 51.75 270 bottom
R18  56R_0201  [SM0201]  64.75 49.75 270 bottom
R19  470R_0402  [R_SM0402]  99.61 129.79 0 top
R20  470R_0402  [R_SM0402]  101.69 129.8 0 top
R21  470R_0402  [R_SM0402]  104.25 129.8 0 top
R22  0R_0402_NF  [R_SM0402]  84.4 127.42 180 top
R23  4K7_0402  [R_SM0402]  65.15 102.2 270 top
R24  4K7_0402  [R_SM0402]  64.2 102.2 270 top
R25  4K7_0402  [R_SM0402]  54.15 100.45 0 top
R26  100K_0402  [R_SM0402]  64.2 100 270 top
R27  4K7_0402  [R_SM0402]  61.62 111.83 180 top
R28  4K7_0402  [R_SM0402]  61.62 108.25 180 top
R29  4K7_0402  [R_SM0402]  57.35 113.7 180 top
R30  6.04K/1%_0402  [R_SM0402]  80.71 82.54 0 bottom
R31  200R/1%_0402  [R_SM0402]  76.6 93.7 0 bottom
R32  10K_0402  [R_SM0402]  76.6 94.55 180 bottom
R33  10K_0402  [R_SM0402]  76.6 95.4 180 bottom
R34  10K_0402  [R_SM0402]  71.35 99.45 270 bottom
R35  10K_0402  [R_SM0402]  81.6 68.75 270 bottom
R36  10K_0402  [R_SM0402]  79.9 68.75 270 bottom
R37  10K_0402  [R_SM0402]  74 79.55 180 bottom
R38  0R_0402  [R_SM0402]  72.6 80 90 bottom
R39  0R_0402  [R_SM0402]  80.75 68.75 90 bottom
R40  0R_0402  [R_SM0402]  83.3 68.75 90 bottom
R41  0R_0402  [R_SM0402]  82.45 68.75 90 bottom
R42  0R_0402  [R_SM0402]  84.15 68.75 90 bottom
R43  100K_0402  [R_SM0402]  94.8 133.2 0 top
R44  10K_0402  [R_SM0402]  69.6 97.75 90 bottom
R45  10K_0402_NF  [R_SM0402]  68.75 97.75 90 bottom
R46  0R_0402  [R_SM0402]  66.4 94.5 90 bottom
R47  10K_0402_NF  [R_SM0402]  61.11 86.44 270 bottom
R48  100K_0402  [R_SM0402]  59.7 121.2 0 top
R49  15K8_0402  [R_SM0402]  94.4 120.7 180 bottom
R50  28K_0402  [R_SM0402]  94.85 130.4 90 bottom
R51  24K9_0402  [R_SM0402]  97.2 133.3 180 bottom
R52  5K49_0402  [R_SM0402]  96.6 132.2 0 bottom
R53  RA4_22R  [Rarray0804]  74.9 82.65 0 bottom
R54  RA4_22R  [Rarray0804]  72.15 82.65 0 bottom
R55  RA4_22R  [Rarray0804]  65.62 91.55 270 bottom
R56  22R_0402  [R_SM0402]  70.88 79.5 270 bottom
R57  22R_0402  [R_SM0402]  63.75 89.15 270 bottom
R58  0R_0402  [R_SM0402]  111.2 40.55 270 bottom
R59  22R_0402  [R_SM0402]  92.25 31.75 90 top
R60  22R_0402  [R_SM0402]  92.95 31.75 90 top
R61  22R_0402  [R_SM0402]  93.75 31.75 90 top
R62  22R_0402  [R_SM0402]  94.45 31.75 90 top
R63  470R_0402  [R_SM0402]  102.7 35.4 90 top
R64  470R_0402  [R_SM0402]  104.5 35.4 90 top
R65  510R_0603  [R_SM0603]  40.05 92 0 bottom
R66  10K_0402  [R_SM0402]  20.8 57.45 180 top
R67  51R_0402  [SMD0402]  117.2 51.55 90 bottom
R68  10K_0402  [R_SM0402]  18.85 53.3 90 bottom
R69  10K_0402  [R_SM0402]  17.9 53.3 90 bottom
R70  2K32_0402  [R_SM0402]  28.7 98.05 90 bottom
R71  56R_0201  [SM0201]  61.95 57.75 0 bottom
